# KiCad board sizif512.kicad_pcb (continued)
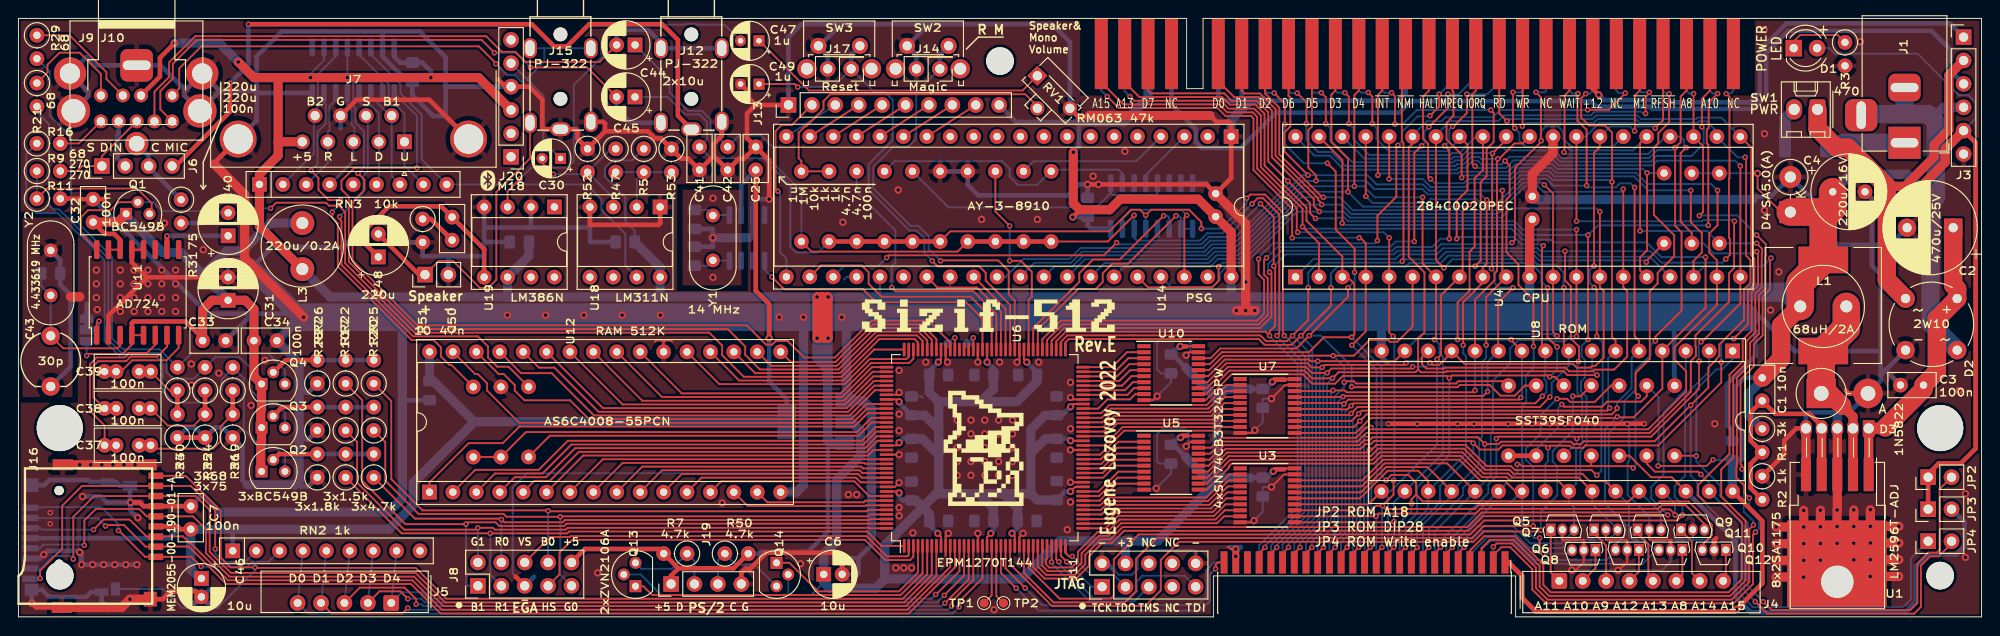
[diagram p0: board, top side]
## Footprints (pads in the part's own frame, mm; a bottom-side part is the same pattern mirrored in y, then rotated) (continued)
SolderJumper-3_P1.3mm_Bridged12_RoundedPad1.0x1.5mm_NumberLabels
  custom 1.05x1.5 smd: 1(-1.3,0) 3(1.3,0)
  rect 1x1.5 smd: 2(0,0)
SOT-223-3_TabPin2
  rect 2x1.5 smd: 1(-3.15,2.3) 2(-3.15,0) 3(-3.15,-2.3)
  rect 2x3.8 smd: 2(3.15,0)
SW_Tactile_SPST_Angled_PTS645Vx83-2LFS
  round 2.1 hole 1.3: (-1.25,-2.49) (5.76,-2.49)
  round 1.75 hole 0.99: 1(0,0) 2(4.5,0)
TestPoint_Pad_D1.0mm
  round 1 smd: 1(0,0)
TO-92
  rect 1.3x1.3 hole 0.75: 1(0,0)
  round 1.3 hole 0.75: 2(1.27,1.27) 3(2.54,0)
TO-92S
  rect 1.05x1.3 hole 0.75: 1(0,0)
  oval 1.05x1.3 hole 0.75: 2(1.27,0) 3(2.54,0)
TO-220-263-5_Horizontal_TabDown
  rect 1.1x3.6 smd: 1(0,5.025) 2(1.7,5.025) 3(3.4,5.025) 4(5.1,5.025) 5(6.8,5.025)
  rect 1.275x1.8 hole 1.1: 1(0,0)
  oval 1.275x1.8 hole 1.1: 2(1.7,0) 3(3.4,0) 4(5.1,0) 5(6.8,0)
  round 4 hole 3.5: 3(3.4,16.66)
  rect 10.8x9.4 smd: 3(3.45,14.7)
TSSOP-20_4.4x6.5mm_P0.65mm
  rect 1.45x0.45 smd: 1(-2.95,2.925) 2(-2.95,2.275) 3(-2.95,1.625) 4(-2.95,0.975) 5(-2.95,0.325) 6(-2.95,-0.325) 7(-2.95,-0.975) 8(-2.95,-1.625) 9(-2.95,-2.275) 10(-2.95,-2.925) 11(2.95,-2.925) 12(2.95,-2.275) 13(2.95,-1.625) 14(2.95,-0.975) 15(2.95,-0.325) 16(2.95,0.325) 17(2.95,0.975) 18(2.95,1.625) 19(2.95,2.275) 20(2.95,2.925)
ZX_EDGE
  rect 1.4x7.62 smd far side: A1(-34.29,0) A2(-31.75,0) A3(-29.21,0) A4(-26.67,0) A6(-21.59,0) A7(-19.05,0) A8(-16.51,0) A9(-13.97,0) A10(-11.43,0) A11(-8.89,0) A12(-6.35,0) A13(-3.81,0) A14(-1.27,0) A15(1.27,0) A16(3.81,0) A17(6.35,0) A18(8.89,0) A19(11.43,0) A20(13.97,0) A21(16.51,0) A22(19.05,0) A23(21.59,0) A24(24.13,0) A25(26.67,0) A26(29.21,0) A27(31.75,0) A28(34.29,0)
  rect 1.4x7.62 smd: B1(-34.29,0) B2(-31.75,0) B3(-29.21,0) B4(-26.67,0) B6(-21.59,0) B7(-19.05,0) B8(-16.51,0) B9(-13.97,0) B10(-11.43,0) B11(-8.89,0) B12(-6.35,0) B13(-3.81,0) B14(-1.27,0) B15(1.27,0) B16(3.81,0) B17(6.35,0) B18(8.89,0) B19(11.43,0) B20(13.97,0) B21(16.51,0) B22(19.05,0) B23(21.59,0) B24(24.13,0) B25(26.67,0) B26(29.21,0) B27(31.75,0) B28(34.29,0)

## Nets
+3V3: C6.1 C7.2 C8.1 C9.1 C10.1 C11.1 C12.1 C13.1 C14.1 C15.1 C16.1 C17.1 C18.1 C19.1 C20.1 C21.1 C22.1 C23.1 C24.2 C25.2 C46.1 J11.4 J16.4 J21.4 Q13.2 Q14.2 RN2.1 U2.2 U3.20 U5.20 U6.9 U6.19 U6.25 U6.46 U6.56 U6.64 U6.82 U6.90 U6.100 U6.116 U6.126 U6.136 U7.20 U9.2 U10.20 U12.32
+5V: C1.1 C4.1 C5.2 C26.2 C27.2 C28.2 C29.2 C51.2 C52.2 C53.2 D1.2 D4.1 J2.A3 J3.5 J7.5 J8.10 J9.2 J13.10 J18.1 J18.2 J19.1 J20.3 JP2.1 JP3.1 L1.2 L2.2 L3.1 R1.1 R5.1 R6.2 R7.2 R18.1 R32.2 R33.2 R48.2 R50.2 RN3.1 U2.3 U4.11 U8.32 U13.16 U14.25 U14.28 U14.40 U17.10 U17.12 U17.16 U18.8 U19.6
+5VA: C31.1 C32.2 C33.2 C34.2 JP6.3 L3.2 Q1.1 Q2.1 Q3.1 Q4.1 U11.4 U11.5 U11.14 U11.15
+9V: J2.A4 J3.3
+12V: J2.B22 J3.1
-5V: J2.B20
-12V: J2.B23
GND: C2.2 C3.2 C4.2 C5.1 C6.2 C7.1 C8.2 C9.2 C10.2 C11.2 C12.2 C13.2 C14.2 C15.2 C16.2 C17.2 C18.2 C19.2 C20.2 C21.2 C22.2 C23.2 C24.1 C25.1 C26.1 C27.1 C28.1 C29.1 C31.2 C32.1 C33.1 C34.1 C35.1 C36.1 C41.1 C42.1 C43.2 C46.2 C49.2 C51.1 C52.1 C53.1 D2.1 D3.2 D4.2 J2.A6 J2.A7 J2.A14 J3.6 J7.0 J7.8 J8.5 J9.0 J10.2 J11.2 J11.10 J12.R2 J13.1 J14.2 J15.R2 J15.S J16.6 J16.10 J16.11 J17.2 J18.47 J18.48 J19.4 J20.4 J21.6 J21.10 J21.11 JP6.1 LS1.2 Q5.2 Q6.2 Q7.2 Q8.2 Q9.2 Q10.2 Q11.2 Q12.2 R2.1 R3.2 R11.2 R13.1 R23.1 R26.1 R27.1 R28.1 R34.1 R35.1 R36.1 R43.2 R44.2 R51.2 R52.1 R53.1 R56.1 RV1.3 SW2.1 SW3.1 U1.3 U1.5 U2.1 U3.10 U3.19 U4.29 U5.10 U5.19 U6.10 U6.17 U6.26 U6.47 U6.54 U6.65 U6.83 U6.92 U6.99 U6.115 U6.128 U6.135 U7.10 U7.19 U8.16 U9.3 U10.10 U10.19 U11.2 U11.12 U11.13 U12.16 U12.22 U13.6 U13.7 U13.8 U14.1 U14.24 U17.8 U17.15 U18.1 U18.4 U19.2 U19.4 Y2.2
/A0: J2.A9 J18.35 U4.30 U7.18 U8.12
/A1: J2.A10 J18.33 U4.31 U7.17 U8.11
/A2: J2.A11 J18.32 U4.32 U7.16 U8.10
/A3: J2.A12 J18.31 U4.33 U7.15 U8.9
/A4: J2.A24 J18.30 U4.34 U7.14 U8.8
/A5: J2.A23 J18.36 U4.35 U8.7 U10.12
/A6: J2.A22 J18.29 U4.36 U7.13 U8.6
/A7: J2.A21 J18.28 U4.37 U7.12 U8.5
/A8: J2.B26 J18.6 Q10.3 U4.38 U5.13 U8.27
/A9: J2.A27 J18.9 Q7.3 U4.39 U5.12 U8.26
/A10: J2.B27 J18.11 Q6.3 U3.18 U4.40 U8.23
/A11: J2.A28 J18.10 Q5.3 U4.1 U5.11 U8.25
/A12: J2.A2 J18.8 Q8.3 U4.2 U7.11 U8.4
/A13: J2.B2 J18.20 Q9.3 U4.3 U8.28 U10.17
/A14: J2.A1 J18.24 Q11.3 U3.12 U4.4
/A15: J2.B1 J18.23 Q12.3 U3.13 U4.5
/AY_ABC: U6.79 U13.9 U13.10
/AY_BC1: U6.86 U14.29
/AY_BDIR: U6.87 U14.27
/AY_CLK: U6.89 U14.22
/AY_MONO: U6.80 U13.11
/Blue0: J8.8 R25.1 U6.140
/Blue1: J8.1 R22.1 U6.143
/BUS0: J18.49 U6.22
/BUS1: J18.50 U6.23
/CLK28: U6.91 U9.5
/CLKCPU: J18.34 R6.1 U4.6 U10.16
/Csync: Q1.2 U6.105 U11.16
/D0: J2.B6 J18.37 U4.14 U8.13 U10.13 U14.37
/D1: J2.B7 J18.38 U4.15 U8.14 U10.14 U14.36
/D2: J2.B8 J18.39 U4.12 U8.15 U10.15 U14.35
/D3: J2.B11 J18.22 U3.14 U4.8 U8.17 U14.34
/D4: J2.B12 J18.21 U3.11 U4.7 U8.18 U14.33
/D5: J2.B10 J18.18 U3.15 U4.9 U8.19 U14.32
/D6: J2.B9 J18.16 U3.16 U4.10 U8.20 U14.31
/D7: J2.B3 J18.14 U3.17 U4.13 U8.21 U14.30
/Green0: J8.9 R20.1 U6.141
/Green1: J8.2 R17.1 U6.144
/Hsync: J8.7 U6.3
/JOY_SEL: R54.1 U6.121
/JOY_SEL0: J7.7 R54.2
/KD0: J5.5 RN2.4 U6.18
/KD1: J5.4 RN2.5 U6.16
/KD2: J5.3 RN2.6 U6.15
/KD3: J5.2 RN2.7 U6.14
/KD4: J5.1 RN2.8 U6.13
/MIX_L: C42.2 C44.1 J18.43 R38.1 R39.1 R42.1 R44.1 R46.1 U13.14
/MIX_R: C41.2 C45.1 J18.42 R37.1 R40.1 R41.1 R43.1 R45.1 U13.13
/PS2_CLK: Q14.1 U6.4
/PS2_DAT: Q13.1 U6.5
/RA14: U6.30 U8.29
/RA15: U6.29 U8.3
/RA16: U6.28 U8.2
/RA17: R14.1 U6.27
/Red0: J8.4 R12.1 U6.142
/Red1: J8.3 R10.1 U6.1
/SD_CD: J16.9 J21.9 U6.6
/SD_CS: J16.2 J21.2 U6.12
/SD_DAT1: J16.8 J21.8 RN2.2
/SD_DAT2: J16.1 J21.1 RN2.3
/SD_MISO: J16.7 J21.7 U6.7
/SD_MOSI: J16.3 J21.3 U6.11
/SD_SCK: J16.5 J21.5 U6.8
/SHIFT_CLK: U6.98 U17.2
/SHIFT_OUT: R15.2 R23.2 U6.120
/SHIFT_PL: U6.103 U17.1
/SND_DAC_L: R38.2 U6.81
/SND_DAC_R: R37.2 U6.88
/SND_L: C44.2 J9.8 J12.T
/SND_MONO: C48.2 J9.6 J15.R1 LS1.1
/SND_R: C45.2 J9.9 J12.R1
/TAPE_IN: C30.1 J15.T J20.5
/TAPE_IN0: RN3.9 U17.14 U18.7
/TCK: J11.1 U6.35
/TDI: J11.9 U6.34
/TDO: J11.3 U6.36
/TMS: J11.5 U6.33
/VA0: U6.134 U12.12
/VA1: U6.133 U12.11
/VA2: U6.132 U12.10
/VA3: U6.131 U12.9
/VA4: U6.130 U12.8
/VA5: U6.129 U12.7
/VA6: U6.127 U12.6
/VA7: U6.125 U12.5
/VA8: U6.112 U12.27
/VA9: U6.111 U12.26
/VA10: U6.106 U12.23
/VA11: U6.110 U12.25
/VA12: U6.124 U12.4
/VA13: U6.113 U12.28
/VA14: U6.123 U12.3
/VA15: U6.118 U12.31
/VA16: U6.122 U12.2
/VA17: U6.119 U12.1
/VA18: U6.117 U12.30
/VD0: U6.137 U12.13
/VD1: U6.139 U12.14
/VD2: U6.138 U12.15
/VD3: U6.101 U12.17
/VD4: U6.102 U12.18
/VD5: U6.104 U12.19
/VD6: U6.108 U12.20
/VD7: U6.107 U12.21
/VID_B: J9.1 R29.1
/VID_COMP: J6.3 J10.1 R31.1
/VID_DIN: J6.2 J9.4
/VID_G: J9.3 R21.1
/VID_MIC: J6.4 J12.S
/VID_R: J9.7 R16.2
/VID_SYNC: J6.1 J9.5 R9.2
/Vsync: J8.6 U6.2
/xA0: U6.62 U7.2
/xA1: U6.61 U7.3
/xA2: U6.60 U7.4
/xA3: U6.59 U7.5
/xA4: U6.58 U7.6
/xA5: U6.66 U10.8
/xA6: U6.57 U7.7
/xA7: U6.55 U7.8
/xA8: U5.7 U6.45
/xA9: U5.8 U6.44
/xA10: U3.2 U6.42
/xA11: U5.9 U6.43
/xA12: U6.53 U7.9
/xA13: U6.71 U10.3
/xA14: U3.8 U6.32
/xA15: U3.7 U6.37
/xCLKCPU: U6.70 U10.4
/xD0: U6.67 U10.7
/xD1: U6.68 U10.6
/xD2: U6.69 U10.5
/xD3: U3.6 U6.38
/xD4: U3.9 U6.31
/xD5: U3.5 U6.39
/xD6: U3.4 U6.40
/xD7: U3.3 U6.41
/~{BUSACK}: J2.A26 J18.3 U4.23
/~{BUSRQ}: J2.A19 J18.5 R32.1 U4.25
/~{CLKCPU}: J2.A8 R48.1 U10.18
/~{DRD}: J2.A16 U6.78
/~{DWR}: J2.A17 U6.77
/~{HALT}: J2.B15 J18.4 U4.18
/~{INTB}: J2.B13 R49.1 U4.16
/~{INT}: J18.40 R49.2 U6.73
/~{IORQGE}: J2.A13 J18.19 R4.1 U10.11
/~{IORQ}: J2.B17 J18.13 R4.2 U4.20
/~{JOY_B1}: J7.6 RN3.7 U17.3
/~{JOY_B2}: J7.9 RN3.2 U17.11
/~{JOY_DOWN}: J7.2 RN3.6 U17.4
/~{JOY_LEFT}: J7.3 RN3.4 U17.5
/~{JOY_RIGHT}: J7.4 RN3.3 U17.6
/~{JOY_UP}: J7.1 RN3.8 U17.13
/~{M1}: J2.B24 J18.25 U4.27 U5.14
/~{MAGIC}: J14.1 SW2.2 U6.84
/~{MREQ}: J2.B16 J18.27 U4.19 U5.18
/~{MTR}: J2.A18 U6.76
/~{NMI}: J2.B14 J18.41 U4.17 U6.74
/~{RD}: J2.B18 J18.17 U4.21 U5.15 U8.24
/~{RFSH}: J2.B25 J18.26 U4.28 U5.17
/~{ROMCSB}: J2.A25 J18.12 R8.2 U8.22
/~{ROMCS}: R8.1 U6.24
/~{RSTCPU}: J2.A20 J18.44 U4.26 U6.75 U14.23
/~{RST}: C49.1 J17.1 SW3.2 U6.85
/~{VRD}: U6.109 U12.24
/~{VWR}: U6.114 U12.29
/~{WAIT}: J2.B21 J18.7 R33.1 U4.24
/~{WR}: J2.B19 J18.15 JP4.1 U4.22 U5.16
/~{xCLKCPU}: U6.72 U10.2
/~{xIORQGE}: U6.63 U10.9
/~{xM1}: U5.6 U6.48
/~{xMREQ}: U5.2 U6.52
/~{xRD}: U5.5 U6.49
/~{xRFSH}: U5.3 U6.51
/~{xWR}: U5.4 U6.50
Net-(C1-Pad2): C1.2 R1.2 R2.2 U1.4
Net-(C2-Pad1): C2.1 C3.1 D2.3 U1.1
Net-(C30-Pad2): C30.2 R47.1 R52.2 U18.3
Net-(C35-Pad2): C35.2 U9.8 Y1.1
Net-(C36-Pad2): C36.2 U9.1 Y1.2
Net-(C37-Pad1): C37.1 R19.1 R36.2
Net-(C37-Pad2): C37.2 U11.6
Net-(C38-Pad1): C38.1 R24.1 R35.2
Net-(C38-Pad2): C38.2 U11.7
Net-(C39-Pad1): C39.1 R30.1 R34.2
Net-(C39-Pad2): C39.2 U11.8
Net-(C40-Pad1): C40.1 U11.10
Net-(C40-Pad2): C40.2 R31.2
Net-(C43-Pad1): C43.1 R56.2 U11.3 Y2.1
Net-(C47-Pad1): C47.1 RV1.1
Net-(C47-Pad2): C47.2 U19.3
Net-(C48-Pad1): C48.1 C50.1 U19.5
Net-(C50-Pad2): C50.2 R51.1
Net-(D1-Pad1): D1.1 R3.1
Net-(D2-Pad2): D2.2 J1.2 J1.3 J3.4
Net-(D2-Pad4): D2.4 J3.2 SW1.1
Net-(D3-Pad1): D3.1 L1.1 L2.1 U1.2
Net-(F1-Pad1): F1.1 J1.1
Net-(F1-Pad2): F1.2 SW1.2
Net-(J4-Pad1): J4.1 Q5.1
Net-(J4-Pad2): J4.2 Q6.1
Net-(J4-Pad3): J4.3 Q7.1
Net-(J4-Pad4): J4.4 Q8.1
Net-(J4-Pad5): J4.5 Q9.1
Net-(J4-Pad6): J4.6 Q10.1
Net-(J4-Pad7): J4.7 Q11.1
Net-(J4-Pad8): J4.8 Q12.1
Net-(J13-Pad2): J13.2 U14.21
Net-(J13-Pad3): J13.3 U14.20
Net-(J13-Pad4): J13.4 U14.19
Net-(J13-Pad5): J13.5 U14.18
Net-(J13-Pad6): J13.6 U14.17
Net-(J13-Pad7): J13.7 U14.16
Net-(J13-Pad8): J13.8 U14.15
Net-(J13-Pad9): J13.9 U14.14
Net-(J19-Pad2): J19.2 Q13.3 R7.1
Net-(J19-Pad3): J19.3 Q14.3 R50.1
Net-(JP2-Pad2): JP2.2 R13.2 U8.1
Net-(JP3-Pad2): JP3.2 R14.2 U8.30
Net-(JP4-Pad2): JP4.2 R18.2 U8.31
Net-(JP6-Pad2): JP6.2 U11.1
Net-(Q1-Pad3): Q1.3 R9.1 R11.1
Net-(Q2-Pad2): Q2.2 R10.2 R12.2 R28.2
Net-(Q2-Pad3): Q2.3 R16.1 R19.2
Net-(Q3-Pad2): Q3.2 R17.2 R20.2 R27.2
Net-(Q3-Pad3): Q3.3 R21.2 R24.2
Net-(Q4-Pad2): Q4.2 R22.2 R25.2 R26.2
Net-(Q4-Pad3): Q4.3 R29.2 R30.2
Net-(R15-Pad1): R15.1 U17.7
Net-(R39-Pad2): R39.2 U14.4
Net-(R40-Pad2): R40.2 U13.1 U13.5
Net-(R41-Pad2): R41.2 R42.2 U13.2 U13.3
Net-(R45-Pad2): R45.2 R46.2 RV1.2
Net-(R47-Pad2): R5.2 R47.2 R53.2 U18.2
Net-(TP1-Pad1): TP1.1 U6.20
Net-(TP2-Pad1): TP2.1 U6.21
Net-(TP3-Pad1): TP3.1 U6.93
Net-(TP4-Pad1): TP4.1 U6.97
Net-(U13-Pad4): U13.4 U14.3
Net-(U13-Pad15): U13.15 U14.38

Pads without a net: J2 A15 B4 B28; J11 6 7 8; J18 45 46; J20 1 2 6; RN2 9; RN3 5; U3 1; U5 1; U6 94 95 96; U7 1; U9 4 6 7; U10 1; U11 9 11; U13 12; U14 2 5 6 7 8 9 10 11 12 13 26 39; U17 9; U18 5 6; U19 1 7 8

## Via types
v1: diameter 0.8, hole 0.4, Top to Bottom, 217 vias
v2: diameter 0.6, hole 0.3, Top to Bottom, 319 vias

## Routing (per net, layer and track width the routed paths; a pad name or vN(x,y) marks a point on that pad's centre or on a via; arc(x,y) is an arc through that point)
+3V3: length 414.5
  Top w0.2: U6.116 95.3,23.62 v1(95.55,23.37) ; U3.20 137.44,16.13 137.35,16.03 ; v1(107.8,9.07) 108.1,8.77 U6.25 ; v1(105.5,9.07) 105.1,8.67 U6.19 ; U6.136 95.4,13.62 v1(95.55,13.47) ; v1(99.75,9.07) 100.1,8.72 U6.9 ; U5.20 126.75,19.67 ; U10.20 126.78,29.4 126.75,29.37 ; 137.42,25.77 137.47,25.83 138.45,25.83 ; U6.82 109.1,27.97 v1(109.4,27.67) ; U6.64 114.45,23.12 v1(114.15,22.82) ; v1(114.15,19.13) 114.16,19.12 U6.56 ; U6.126 95.25,18.62 v1(95.55,18.92) ; v1(114.15,13.62) 114.65,14.12 U6.46 ; U6.100 100.1,27.97 v1(99.8,27.67) ; U6.90 v1(105.1,27.67)
  Top w0.5: C7.2 17.57,9.52 17.27,9.82 14.93,9.82 14.91,9.84 ; 137.42,25.77 136.3,25.77 v1(136.05,25.52) ; v1(136.15,15.8) 136.38,16.03 137.35,16.03 ; v1(126.1,19.47) 126.3,19.67 126.75,19.67 ; v1(81.45,30.27) 81.45,33.97 80,35.42 C25.2 ; v1(126.05,29.37) 126.75,29.37
  Bottom w0.2: 83.56,2.38 86.01,2.38 87.38,3.75 ; 83.56,2.38 69.74,2.38 67.52,4.6 Q13.2 ; 83.56,2.38 83.52,2.42 Q14.2
  Bottom w0.5: 126.65,17.37 125.33,18.7 125.05,18.7 125.83,19.47 v1(126.1,19.47) ; C11.1 96.88,19.37 96,19.37 v1(95.55,18.92) ; 98.83,10.42 98.83,10 v1(99.75,9.07) ; C9.1 110.53,26.55 v1(109.4,27.67) ; v1(114.15,19.13) 113.94,19.35 C19.1 ; v1(105.5,9.07) 105.78,9.35 C17.1 ; 98.83,26.27 98.83,26.7 v1(99.8,27.67) ; v1(136.05,25.52) 135.28,24.75 C23.1 133.65,24.75 ; v1(114.15,13.62) 113.57,13.62 C15.1 ; C7.2 17.3,9.52 16.32,8.55 J21.4 ; RN2.1 23.25,9.12 23.65,9.52 24.25,9.52 ; C12.1 95.97,12.65 95.55,13.07 v1(95.55,13.47) ; v1(126.05,29.37) 125.93,29.37 125.05,28.5 125.22,28.5 126.65,27.07 ; v1(95.55,23.37) 95.55,23.25 C10.1 ; C16.1 108.43,9.7 v1(107.8,9.07) ; U2.2 83.35,23.67 81.45,25.57 v1(81.45,30.27) ; 133.68,15.13 C21.1 135.47,15.13 v1(136.15,15.8) ; C14.1 113.22,21.9 v1(114.15,22.82) ; C13.1 105.78,27 v1(105.1,27.67) ; C25.2 78.41,46.96 U9.2
  Bottom w1: 19.78,4.07 19.85,4.07 ; 99.85,23.13 99.85,23.37 98.83,24.4 98.83,26.27 ; 99.85,23.13 100.09,23.37 104.4,23.37 ; 99.85,23.13 99.85,23.17 99.85,20.37 ; C11.1 98.08,19.35 99.85,17.57 ; 99.45,13.25 99.58,13.37 ; 99.58,13.37 99.48,13.27 ; 99.58,13.37 104.25,13.37 ; J11.4 120.11,8.23 120.1,8.24 ; 109.85,17.77 109.85,20.37 111.38,21.9 C14.1 ; 109.85,17.77 111.43,19.35 C19.1 ; 109.85,17.77 109.85,13.67 109.55,13.37 ; 106.85,13.37 104.25,13.37 ; 106.85,13.37 108.43,11.8 C16.1 ; 106.85,13.37 109.55,13.37 ; 104.25,13.37 105.78,11.85 C17.1 ; 94,4.12 94,7.79 98.11,11.91 ; 94,4.12 108.83,4.12 112.96,8.24 120.1,8.24 ; 94,4.12 93,3.12 88,3.12 87.38,3.75 C6.1 87.38,6.82 88.78,8.22 88.78,14.9 91.35,17.47 91.35,20.21 90.36,21.2 U2.2 ; 99.85,17.57 99.85,13.64 99.48,13.27 ; 99.85,17.57 99.85,20.37 ; 99.48,13.27 98.11,11.91 ; C12.1 97.38,12.65 98.11,11.91 ; 98.11,11.91 98.83,11.2 98.83,10.42 ; 49.45,21.17 49.48,21.2 U2.2 ; 49.45,21.17 42.85,14.57 42.85,12.17 40.2,9.52 C7.2 18.7,5.15 19.68,4.17 C46.1 ; 49.45,21.17 45.02,25.6 C24.2 ; 99.85,20.37 98.33,21.9 C10.1 ; 130.05,14.67 130.47,15.1 133.68,15.1 ; 130.05,14.67 130.05,23.87 ; 130.05,14.67 123.62,8.24 120.1,8.24 ; 130.05,14.67 129.35,14.67 126.65,17.37 ; 104.4,23.37 105.78,24.75 C13.1 ; 104.4,23.37 108.33,23.37 110.53,25.57 C9.1 ; 133.65,24.75 131,24.75 ; 126.65,27.07 129.95,23.77 130.05,23.77 131,24.72 ; C15.1 110.53,12.7 109.85,13.37 109.55,13.37 ; U12.32 44.6,25.61
+5V: length 706.8
  Top w0.2: v1(188.7,48.17) 188.7,46.52 191.25,43.97 D4.1 ; v2(167.45,23.07) 167.7,22.82 171.82,22.82 172.37,23.37 176.06,23.37 176.68,23.99 R18.1 ; v2(177.9,16.39) 183.17,16.39 v2(183.85,17.07)
  Top w0.5: 71.61,5.27 R7.2 69.51,7.37 61.47,7.37 J8.10 ; 71.61,5.27 77.59,5.27 R50.2 ; 71.61,5.27 70.81,4.47 J19.1 ; J18.1 161.68,5.92 163.15,4.45 163.15,2.07 164.65,0.57 186.15,0.57 189.22,3.64 189.22,10.41 U8.32 ; J3.5 212.35,51.51 212.35,18.27 210.75,16.67 208.35,16.67 207.2,15.52 JP2.1 JP3.1 ; v1(16.95,62.32) 15.35,60.72 15.35,58.68 J9.2 ; v1(114.4,43.42) 115.15,44.17 115.15,44.22 ; R6.2 R48.2
  Top w1: v1(87.85,34.74) 87.78,34.67 87.25,34.67 ; J3.5 209.05,50.81 209.05,49.37 v1(206.35,46.67) ; 28.18,51.6 28.18,50.1 26.15,48.07 RN3.1 26.15,42.42 L3.1 ; 28.18,51.6 28.18,58.5 28.25,58.57 ; 28.18,51.6 J7.5 ; v1(86.65,34.74) 87.22,34.74 87.25,34.71 87.25,34.67 ; v1(86.65,34.74) v1(86.65,30.27) 87.55,30.27 ; v1(86.65,34.74) 87.82,34.74 87.85,34.72 v1(87.85,30.27) 87.55,30.27 ; 87.25,34.67 87.25,30.57 87.55,30.27 ; 28.25,58.57 v1(31.7,58.57) v1(35.7,58.57) v1(44.75,58.57) 49.93,58.57 J20.3 ; 28.25,58.57 25.55,58.57 v1(23.85,60.27) ; U4.11 163.96,42.88 C28.2 ; U14.40 131.58,41.79 C26.2 128,45.37 119.55,45.37 118.4,44.22 115.15,44.22 114.45,44.92 v1(114.45,50.47)
  Top w2: L1.2 191.25,31.65 191.25,28.02 C1.1
  Top w3: 195.83,43.45 195.31,43.97 D4.1 ; 195.83,43.45 L2.2 193.33,36.27 L1.2 ; 195.83,43.45 196.85,44.47 C4.1
  Bottom w0.2: R18.1 177.95,23.85 177.95,16.44 v2(177.9,16.39) ; 101.12,34.74 101.1,34.77 U14.28 ; C53.2 66.86,41.96 65.85,42.97 65.85,45.57 63.65,47.77 63.65,48.77 64.45,49.57 66.58,49.57 R5.1 ; v1(31.7,58.57) 31.7,59 33.15,60.45 33.15,61.85 ; v1(35.7,58.57) 35.7,58.58 35.7,61.85 ; D1.2 196.45,61.77 197.05,61.17 206.05,61.17 210.57,56.65 211.59,56.65 212.35,55.89 212.35,54.11 J3.5 ; 93.53,34.74 93.48,34.79 U14.25 ; R33.2 R32.2 188.68,48.19 v1(188.7,48.17) ; v2(167.45,23.07) 167.05,22.67 167.05,20.57 164.68,18.2 R48.2 ; v2(183.85,17.07) 183.88,17.05 185.95,17.05
  Bottom w0.5: 88.03,18.9 87.82,18.69 87.82,9.24 85.65,7.07 80.65,7.07 80.45,6.87 R50.2 ; U13.16 116.38,42.15 116,42.52 116,43.43 115.99,43.42 v1(114.4,43.42) ; v1(186.42,0.83) 186.16,0.57 164.65,0.57 163.15,2.07 163.15,4.45 161.68,5.92 J18.1 ; v1(114.45,50.47) 115.06,51.08 115.06,53.76 108.25,53.76 J13.10 ; C1.1 187.25,25.97 186.25,24.97 186.25,20.97 187.1,20.12 187.1,17.22 186.93,17.05 185.95,17.05 ; 53.07,34.76 53.05,34.74 ; v1(44.75,58.57) 44.75,59.27 43.81,60.21 C51.2 41.41,60.21 40.77,60.85 40.77,61.85 ; 69.62,34.77 69.65,34.74
  Bottom w1: 131.68,34.74 187.87,34.74 ; 131.68,34.74 131.58,34.84 U14.40 ; 131.68,34.74 93.53,34.74 ; 187.87,34.74 192.3,34.74 L1.2 ; 187.87,34.74 188.43,35.3 ; C1.1 189.2,25.72 187.7,24.22 187.7,21.92 R1.1 ; C52.2 55.39,39.22 U19.6 53.07,34.76 ; U8.32 185.95,13.68 185.95,17.05 ; C53.2 69.62,37.96 U18.8 69.62,34.77 ; 93.43,34.74 v1(86.65,34.74) 33.83,34.74 L3.1 ; U4.11 163.96,34.76 ; 87.25,30.27 v1(86.65,30.27) 86.65,28.07 87.85,26.87 ; 87.25,30.27 87.25,27.47 87.85,26.87 ; 87.25,30.27 v1(87.85,30.27) 87.85,26.87 ; U2.3 88.03,18.9 87.8,19.12 87.8,25.77 87.85,25.82 87.85,26.87 ; 115.06,53.76 119.97,53.76 122.57,56.36 122.57,61.17 ; v1(23.85,60.27) 21.8,62.32 v1(16.95,62.32) ; v1(206.35,46.67) 204.95,48.07 198.75,48.07 C4.1
  Bottom w2: L1.2 191.75,35.3 188.43,35.3
+5VA: length 85.5
  Top w0.2: U11.15 U11.14 ; U11.5 U11.4 12.3,29.57 11.31,28.57 7.6,28.57 v2(7.4,28.37)
  Top w0.5: C33.2 19.98,30.26 18.15,32.09 12.49,32.09 12.3,31.91 U11.4 ; C32.2 9.38,41.6 10.39,41.6 11.03,40.95 U11.14
  Top w1: C33.2 19.98,33.37 21,34.39 C31.1 24.6,34.39 25.55,33.44 C34.2 25.55,26.12 Q4.1 26.37,22.54 26.29,22.46 26.29,20.63 Q3.1 26.37,18.9 26.29,18.81 26.29,15.88 ; Q1.1 10.78,42.87 C32.2
  Bottom w0.2: v2(7.4,28.37) JP6.3
  Bottom w1: L3.2 27.35,42.77 24.3,39.72 22.6,39.72 20.34,37.46 19.73,37.46 ; 19.73,37.46 22.8,34.39 ; 19.73,37.46 17.62,39.57 15.65,39.57 11.68,43.54 Q1.1
+9V: length 106.7
  Bottom w0.5: 125.11,61.17 125.11,55.61 127.75,52.97 127.75,51.57 128.4,50.92 132.6,50.92 136.45,54.77 149.84,54.77 151.09,56.02 170.6,56.02 171.2,55.42 177,55.42 177.25,55.17 188.19,55.17 189.63,56.61 189.63,61.27 192.01,63.65 207.57,63.65 209.65,61.57 209.65,59.29 J3.3
+12V: length 51.5
  Top w0.5: 170.83,61.17 170.83,57.34 v1(171.47,56.69)
  Bottom w0.5: J3.1 209.55,64.47 191.85,64.47 188.93,61.56 188.93,56.95 187.86,55.88 177.54,55.88 177.29,56.13 172.03,56.13 v1(171.47,56.69)
GND: length 1418.5
  Top w0.2: 123.3,23.72 v1(123.55,23.97) 123.12,23.55 U10.10 ; v1(100.8,27.67) 100.6,27.87 U6.99 ; U6.17 v1(104.1,9.07) ; 133.83,10.23 v1(134.05,10.45) 133.88,10.28 132.55,10.28 ; v1(114.15,23.82) 114.35,23.62 U6.65 ; 138.45,15.48 137.33,15.48 v1(135.95,14.1) ; U7.19 137.43,25.18 v1(135.95,23.7) ; v1(126.7,28.42) 127.03,28.75 U10.19 ; v1(114.14,18.13) 114.16,18.12 U6.54 ; U12.22 70,29.87 ; 70,29.87 69.85,30.02 69.2,30.02 69.05,29.87 ; 70,29.87 70.15,30.02 70.8,30.02 70.95,29.87 ; U6.135 95.1,14.12 v1(95.55,14.57) ; Q5.2 167.52,8.39 167.54,8.37 169.84,8.37 Q6.2 169.84,5.96 168.95,5.07 v1(168.55,5.07) ; U7.10 133.85,19.98 v1(134.15,20.28) ; Q7.2 172.23,8.39 172.25,8.37 174.55,8.37 174.55,8.37 Q8.2 174.55,5.87 v1(173.55,5.07) ; U5.19 127.2,19.02 v1(126.7,18.52) ; v1(132.08,7.37) 131.51,7.37 131.3,7.58 131.18,7.58 ; v1(95.55,24.37) 95.3,24.12 U6.115 ; U6.128 v1(95.55,17.62) ; 123.3,13.82 v1(123.45,13.97) ; v1(100.9,9.07) 100.6,8.77 U6.10 100.6,6.62 ; U6.92 v1(104.1,27.67) ; U11.12 U11.13 ; v1(109,9.07) 108.6,8.67 U6.26 ; v1(108.35,27.67) 108.6,27.92 U6.83 ; U6.47 v1(114.15,14.62) ; Q10.2 179.27,8.35 179.25,8.37 177,8.37 176.95,8.42 Q9.2
  Top w0.5: C46.2 19.25,2.77 16.5,2.77 15.65,1.92 J16.11 ; v1(132.08,7.37) v1(132.08,6.57) J18.47 ; C32.1 9.4,45.37 ; C32.1 6.65,45.37 6.6,45.42 R11.2 ; C32.1 7.8,45.67 ; 75.43,50.07 75.43,51.37 76.31,52.25 J12.R2 ; 75.43,50.07 C42.1 78.18,49.77 78.73,49.77 C25.1 ; 75.43,50.07 C41.1 72.67,49.77 71.92,49.77 R53.1 69.72,51.97 69.05,51.97 68.28,52.74 63.65,52.74 ; C25.1 79.05,51.99 79.05,54.67 79.98,55.6 ; C25.1 81.45,49.59 v1(81.45,45.37) ; 184.19,8.53 183.98,8.32 Q12.2 ; 79.98,55.6 J13.1 ; 79.98,55.6 79.25,56.33 79.25,56.97 C49.2 ; J16.11 1.9,1.02 v1(1.45,1.47) ; U18.1 69.62,42.8 69.65,42.77 69.45,42.57 62.05,42.57 62.01,42.62 62.01,44.52 ; 198.27,24.59 198.59,24.27 D3.2 ; 14.91,12.04 14.93,12.02 C7.1 ; J7.0 21.25,49.31 21.25,49.17 ; U11.13 12.3,38.51 13.92,36.89 ; R34.1 R35.1 ; C6.2 89.38,6.12 88.52,6.97 81.14,6.97 79.4,5.22 78.88,5.22 78.43,4.77 J19.4 ; 54.95,3.37 53.95,4.37 ; 116.21,54.46 116.02,54.27 115.05,54.27 RV1.3 ; J16.6 13.59,12.02 13.19,12.42 v1(12.15,12.42) ; 63.65,52.74 63.65,53.57 63.46,53.77 62.11,53.77 ; 63.65,52.74 R52.1 60.65,51.94 60.65,52.77 60.46,52.97 J15.S 57.05,52.97 56.85,53.17 56.85,56.17 55.43,57.59 J20.4 52.83,57.59 52.05,58.37 ; R2.1 191.6,17.67 191.6,19.17 192.9,20.47 U1.5 ; 129.29,54.46 129.98,53.77 131.28,53.77 131.58,53.47 U14.1 131.58,47.65 C26.1 128.9,46.97 v1(117.2,46.97) v1(116,46.97) ; J7.8 36.68,56.17 44.57,56.17 J7.0 ; v2(176.41,20.97) v2(174.55,20.97) v2(171,20.97) 167.79,20.97 167.77,20.95 167.75,20.97 v2(166.18,20.97) v2(164.25,20.97) v2(161.65,20.97) v2(156.15,20.97) v2(151.78,20.97) v2(148.65,20.97) 148.65,20.97 ; 13.92,36.89 C31.2 ; 13.92,36.89 9.77,32.74 U11.2
  Top w1: v1(190.7,7.95) v1(193.7,7.95) ; v1(200.93,8.02) 200.94,8.02 v1(204.03,8.02) ; v1(204.03,6.21) 200.94,6.21 v1(200.93,6.21) ; v1(204.03,9.83) 200.94,9.83 v1(200.93,9.83) v1(200.93,11.64) ; v1(190.7,9.76) v1(193.7,9.76) v1(193.7,11.57) ; v1(199.13,11.62) v1(199.13,9.81) ; v1(190.7,6.14) v1(193.7,6.14) ; v1(195.51,11.59) v1(195.51,9.78) ; v1(197.32,9.8) v1(197.32,11.61) 197.35,11.63 U1.3 ; v1(200.92,4.39) 200.93,4.39 v1(204.02,4.39) ; v1(190.69,4.32) v1(193.69,4.32) ; 5.65,34.77 6.65,34.77 ; v1(133.15,33.27) v1(133.15,36.37) 133.15,42.72 130.05,45.82 ; v1(133.15,33.27) v1(134.15,33.27) ; v1(133.15,33.27) v1(132.15,33.27) ; 21.25,49.17 24.55,45.87 24.55,38.94 v1(30.94,32.54) ; 129.29,54.46 116.21,54.46 ; J16.10 J16.11 ; U4.29 166.5,50.35 164.25,48.1 C28.1 ; 14.31,1.94 14.3,1.95 ; U1.5 193.95,14.95 ; J16.11 11.2,1.02 v1(12.1,1.92) J16.11
  Bottom w0.2: v1(123.55,23.97) 125.05,25.47 C20.2 123.97,26.45 123.55,26.87 123.55,29.87 123.85,30.17 126.89,30.17 127.15,29.91 127.15,28.87 v1(126.7,28.42) ; Q11.2 181.66,8.37 ; 181.66,8.37 183.95,8.37 183.98,8.34 Q12.2 ; 181.66,8.37 179.28,8.37 179.27,8.35 ; v1(134.15,20.28) 135,21.13 C23.2 135,23.65 135.05,23.7 v1(135.95,23.7) ; 179.27,8.35 179.25,8.37 177.02,8.37 176.95,8.44 176.95,8.62 176.95,8.62 Q9.2 176.95,10.89 174.6,13.24 174.6,16.8 174.78,16.97 174.78,20.65 v2(174.55,20.97) ; 179.27,8.35 Q10.2 179.27,5.99 178.35,5.07 v1(173.55,5.07) v1(168.55,5.07) ; v1(126.7,18.52) 126.95,18.77 126.95,20.01 126.59,20.37 124.05,20.37 123.55,19.87 123.55,16.87 123.78,16.65 C22.2 125.05,15.57 v1(123.45,13.97) ; J11.10 127.73,7.05 127.51,7.27 122.15,7.27 121.45,6.57 121.45,5.21 120.81,4.57 119.38,4.57 118.83,5.12 118.8,5.12 ; 53.95,4.37 53.62,4.7 53.62,14.04 55.18,15.6 85.18,15.6 ; U14.24 89.86,36.93 89.55,36.62 ; J11.2 118.21,5.81 ; U13.6 U13.7 ; 98.15,23.77 97.97,23.95 C10.2 ; v1(134.05,10.45) 135,11.4 C21.2 135,14.05 135.05,14.1 v1(135.95,14.1)
  Bottom w0.5: C43.2 5.65,27.17 5.65,34.97 4.52,36.1 R56.1 4.52,38.77 Y2.2 ; 46.65,39.17 LS1.2 ; 46.65,39.17 43.85,39.17 R51.2 42.34,40.68 39.85,43.17 38.25,43.17 35.25,40.17 27.53,40.17 25.25,37.89 ; 46.65,39.17 50.53,39.17 50.53,40.85 ; C7.1 19.95,13.27 20.05,13.27 21.95,11.37 ; J18.47 132.08,7.03 ; 132.08,7.03 131.54,7.57 132.62,7.57 132.08,7.03 ; 25.84,57.16 25.84,56.76 ; 25.84,57.16 25.84,60.86 28.55,63.57 33.15,63.57 ; 25.84,57.16 25.79,57.11 21.85,57.11 ; 25.84,56.76 25.98,56.9 U17.8 ; 25.84,56.76 25.84,53.9 J7.0 ; C3.2 202.6,26.77 202.6,26.82 ; J7.8 34.96,53.07 ; 91.14,6.38 89.46,6.38 89.38,6.3 C6.2 91,4.62 91.14,4.76 91.14,6.38 ; 91.14,6.38 92.55,7.8 92.55,8.77 92.55,8.57 ; 148.6,27.52 147.89,28.23 U8.16 ; R27.1 31.45,19.27 31.24,19.27 30.3,20.21 ; U1.5 193.95,21.87 194.3,22.22 198.63,22.22 D3.2 202.05,25.64 202.05,26.37 ; 46.35,57.67 46.35,54.39 ; 46.35,57.67 46.35,60.77 43.55,63.57 39.55,63.57 ; 46.35,57.67 46.43,57.59 J20.4 ; 46.35,54.39 45.03,54.39 42.75,56.67 C51.1 42.24,58.13 39.51,60.87 39.51,63.53 39.55,63.57 ; 46.35,54.39 J7.0 ; 201.1,40.42 197.3,40.42 194.75,42.97 194.75,45.28 D4.2 190.09,45.61 188.49,45.61 188.2,45.32 ; 201.1,40.42 201.1,38.15 202.05,37.2 202.05,28.87 ; 201.1,40.42 203.07,40.42 C2.2 ; 201.1,40.42 201.1,45.42 C4.2 ; 25.38,32.94 20.53,32.94 C32.1 ; 25.38,32.94 25.38,32.9 C33.1 ; 25.38,32.94 30.2,32.94 30.6,32.54 ; C36.1 75.29,42.13 75.35,42.07 v1(75.35,41.17) 75.35,40.21 C35.1 ; 55.17,42.29 61.93,42.29 62.01,42.22 ; 55.17,42.29 55.57,42.29 55.61,42.33 U19.2 ; 55.17,42.29 50.53,42.29 ; 89.25,64.37 86.9,62.02 SW3.1 87.81,61.01 J17.2 ; 89.25,64.37 98.65,64.37 ; 89.25,64.37 84.95,64.37 83.55,62.97 J13.1 ; 133.67,56.06 133.16,56.06 132.73,56.49 132.73,61.17 ; v1(12.15,12.42) 9.6,12.42 8.95,13.07 v1(6.95,13.07) ; v1(12.15,12.42) 12.15,11.57 v1(12.95,10.77) ; v1(12.15,12.42) 12.1,12.47 J21.10 10.98,14.25 10.57,14.65 J21.11 7.77,14.65 7.55,14.87 3.35,14.87 2.77,14.3 J21.11 ; 30.25,14.57 30.65,14.17 31.45,14.17 R28.1 ; 30.3,19.81 30.3,19.9 ; 39.55,63.57 35.65,63.57 ; R34.1 18.35,20.57 19.15,20.57 R35.1 21.35,20.57 22.15,20.57 R36.1 24.32,18.4 24.32,14.84 24.82,14.34 ; 41.65,23.67 41.79,23.53 44.6,23.53 ; C46.2 20.5,1.52 21.35,1.52 ; C46.2 19.15,2.87 18.65,2.87 ; C46.2 19.2,1.52 18.05,1.52 ; C46.2 19.95,2.17 20.7,2.92 21.01,2.92 ; v1(12.1,1.92) 11.2,1.02 9.7,1.02 9.02,1.7 9.02,2.7 7.88,2.7 7.35,2.17 3.31,2.17 2.53,2.95 J21.11 1.42,1.5 v1(1.45,1.47) ; 179.65,31.07 179.65,26.3 179.7,26.25 R13.1 ; C53.1 62.1,40.72 62.01,40.82 62.01,42.22 ; 21.85,57.11 J10.2 18.05,56.59 18.05,57.12 ; 21.85,57.11 J9.0 18.05,57.12 ; 25.25,37.89 24.37,38.77 23.25,38.77 22.75,38.27 C31.2 24.25,36.89 25.25,37.89 ; 116,45.51 v1(116,46.97) 115.05,46.97 113.85,45.77 104.15,45.77 103,46.92 R44.2 R43.2 ; 62.01,42.22 62.01,44.52 ; J14.2 97.43,61.01 SW2.1 98.7,64.3 98.7,64.32 98.65,64.37 ; J10.2 7.55,56.53 7.55,57.07 7.54,57.07 J9.0 7.34,60.77 7.35,60.77 8.21,59.91 J10.2 15.41,59.91 18.05,57.27 18.05,57.12 ; C52.1 50.66,40.72 50.53,40.85 ; 33.15,63.57 33.15,63.57 ; 33.15,63.57 35.65,63.57 ; J11.2 118.11,5.81 118.8,5.12 ; 130.19,61.17 130.19,56.48 130.61,56.06 149.64,56.06 150.51,56.93 150.51,61.17 ; v1(6.85,5.67) 6.85,6.82 v1(6.65,7.02) ; v1(6.85,5.67) 6.85,6.91 6.59,7.17 3.15,7.17 v1(2.75,6.77) 2.32,6.35 J21.6 ; v1(6.85,5.67) v1(12.85,5.67) ; 35.65,63.57 35.7,63.53 ; 98.65,64.37 112.15,64.37 114.09,62.43 RV1.3 ; 202.6,26.82 D2.1 ; 202.6,26.82 202.15,26.37 202.05,26.37 ; 202.05,28.87 202.05,26.37 ; 202.05,28.87 192.7,28.87 189.03,32.54 186.98,32.54 188.45,31.08 188.45,28.36 185.45,25.36 185.45,20.78 185.95,20.28 C27.1 ; C26.1 128.78,47.1 U13.8 U13.7 ; 30.3,25.21 31.14,24.37 31.45,24.37 R26.1 ; U19.4 50.53,42.29 ; 50.53,42.29 50.53,40.85 ; 54.95,3.37 55.95,4.37 ; v1(81.45,45.37) 80.05,45.37 79.69,45.01 U9.3 79.69,41.61 79.25,41.17 ; J8.5 53.95,4.35 ; JP6.1 7.4,34.02
  Bottom w1: C28.1 164.6,45.32 188.2,45.32 ; 19.94,54.71 19.69,54.45 ; 5.59,54.83 5.97,54.45 ; v1(30.94,32.54) 30.6,32.54 28.05,30 C34.1 28.05,30 30.45,27.6 ; U1.3 197.35,21.97 ; 147.88,32.54 147.89,32.53 U8.16 ; 135.03,56.06 133.67,56.06 131.58,53.97 U14.1 ; 79.25,41.17 v1(75.35,41.17) ; 24.82,14.34 30.02,14.34 30.45,14.77 30.45,27.6 ; 42.25,32.57 41.65,31.97 41.65,12.87 40.15,11.37 21.95,11.37 ; v1(85.18,32.54) 85.18,14.3 84.43,13.55 U12.16 ; 30.45,27.6 30.3,27.75 ; 92.55,8.77 92.55,22.59 91.65,23.5 U2.1 89.85,23.7 89.85,32.02 v1(89.32,32.54) ; 5.65,34.77 6.65,34.77
  Bottom w2: 25.25,37.89 30.6,32.54
  Bottom w3: 42.28,32.54 v1(85.18,32.54) v1(89.32,32.54) 187.35,32.54 ; 42.22,32.54 v1(30.94,32.54)
  vias: v1(6.65,16.52) v1(7.85,16.52) v1(8.05,5.67) v1(8.45,37.67) v1(8.45,36.17) v1(8.45,34.67) v1(8.55,33.37) v1(9.05,16.52) v1(9.25,5.67) v1(10.25,16.52) v1(10.45,5.67) v1(11.05,37.67) v1(11.05,36.17) v1(11.05,34.67) v1(11.05,33.17) v1(11.45,16.52) v1(11.65,5.67) v1(12.55,37.67) v1(12.55,36.17) v1(12.55,34.67) v1(12.55,33.17) v1(12.65,16.52) v1(14.05,37.67) v1(14.05,36.17) v1(14.05,34.67) v1(14.05,33.17) v1(15.55,37.67) v1(15.55,36.17) v1(15.55,34.67) v1(15.55,33.17) v1(15.85,42.77) v1(17.05,37.67) v1(17.05,36.17) v1(17.05,34.67) v1(17.05,33.17) v1(18.75,27.47) v1(18.75,25.17) v1(20.05,39.87) v1(21.75,26.47) v1(25.25,22.97) v1(26.75,27.87) v1(53.05,32.77) v1(57.2,32.77) v1(61.35,32.77) v1(62.85,4.77) v1(65.5,32.77) v1(69.65,32.77) v1(75.35,45.47) v1(75.35,36.87) v1(76.35,12.37) v1(82.55,32.54) v1(84.85,5.77) v1(89.45,42.87) v1(90.05,13.27) v1(90.95,13.27) v1(95.2,5.32) v1(95.45,46.37) v1(95.55,26.77) v1(95.55,22.02) v1(95.55,20.22) v1(95.55,11.87) v1(95.55,10.97) v1(96.05,5.32) v1(96.9,5.32) v1(97.05,9.12) v1(98.45,27.67) v1(101.85,21.37) v1(101.85,19.87) v1(101.85,18.37) v1(101.85,16.87) v1(101.85,15.37) v1(103.35,21.37) v1(103.35,19.87) v1(103.35,18.37) v1(103.35,16.87) v1(103.35,15.37) v1(104.5,43.17) v1(104.85,21.37) v1(104.85,19.87) v1(104.85,18.37) v1(104.85,16.87) v1(104.85,15.37) v1(105.85,0.77) v1(106.35,21.37) v1(106.35,19.87) v1(106.35,18.37) v1(106.35,16.87) v1(106.35,15.37) v1(106.45,27.67) v1(107.85,21.37) v1(107.85,19.87) v1(107.85,18.37) v1(107.85,16.87) v1(107.85,15.37) v1(110.55,43.17) v1(110.7,27.67) v1(113.8,9.47) v1(114.15,25.47) v1(114.15,20.42) v1(114.15,12.47) v1(116.6,47.87) v1(120.05,50.57) v1(184.05,20.97) v1(189.4,63.77) v1(189.45,52.47) v1(189.45,44.17) v1(190.1,33.32) v1(191,37.47) v1(195.51,7.97) v1(195.51,6.16) v1(197.32,7.99) v1(199.13,8) v1(199.13,6.19) v1(199.85,62.47) v1(210.55,24.57) v1(211.25,13.37) v1(211.25,6.47) v2(3.45,11.32) v2(3.45,10.11) v2(157.95,20.97) v2(167.77,20.97)
